# KiCad board main_board.kicad_pcb (continued)
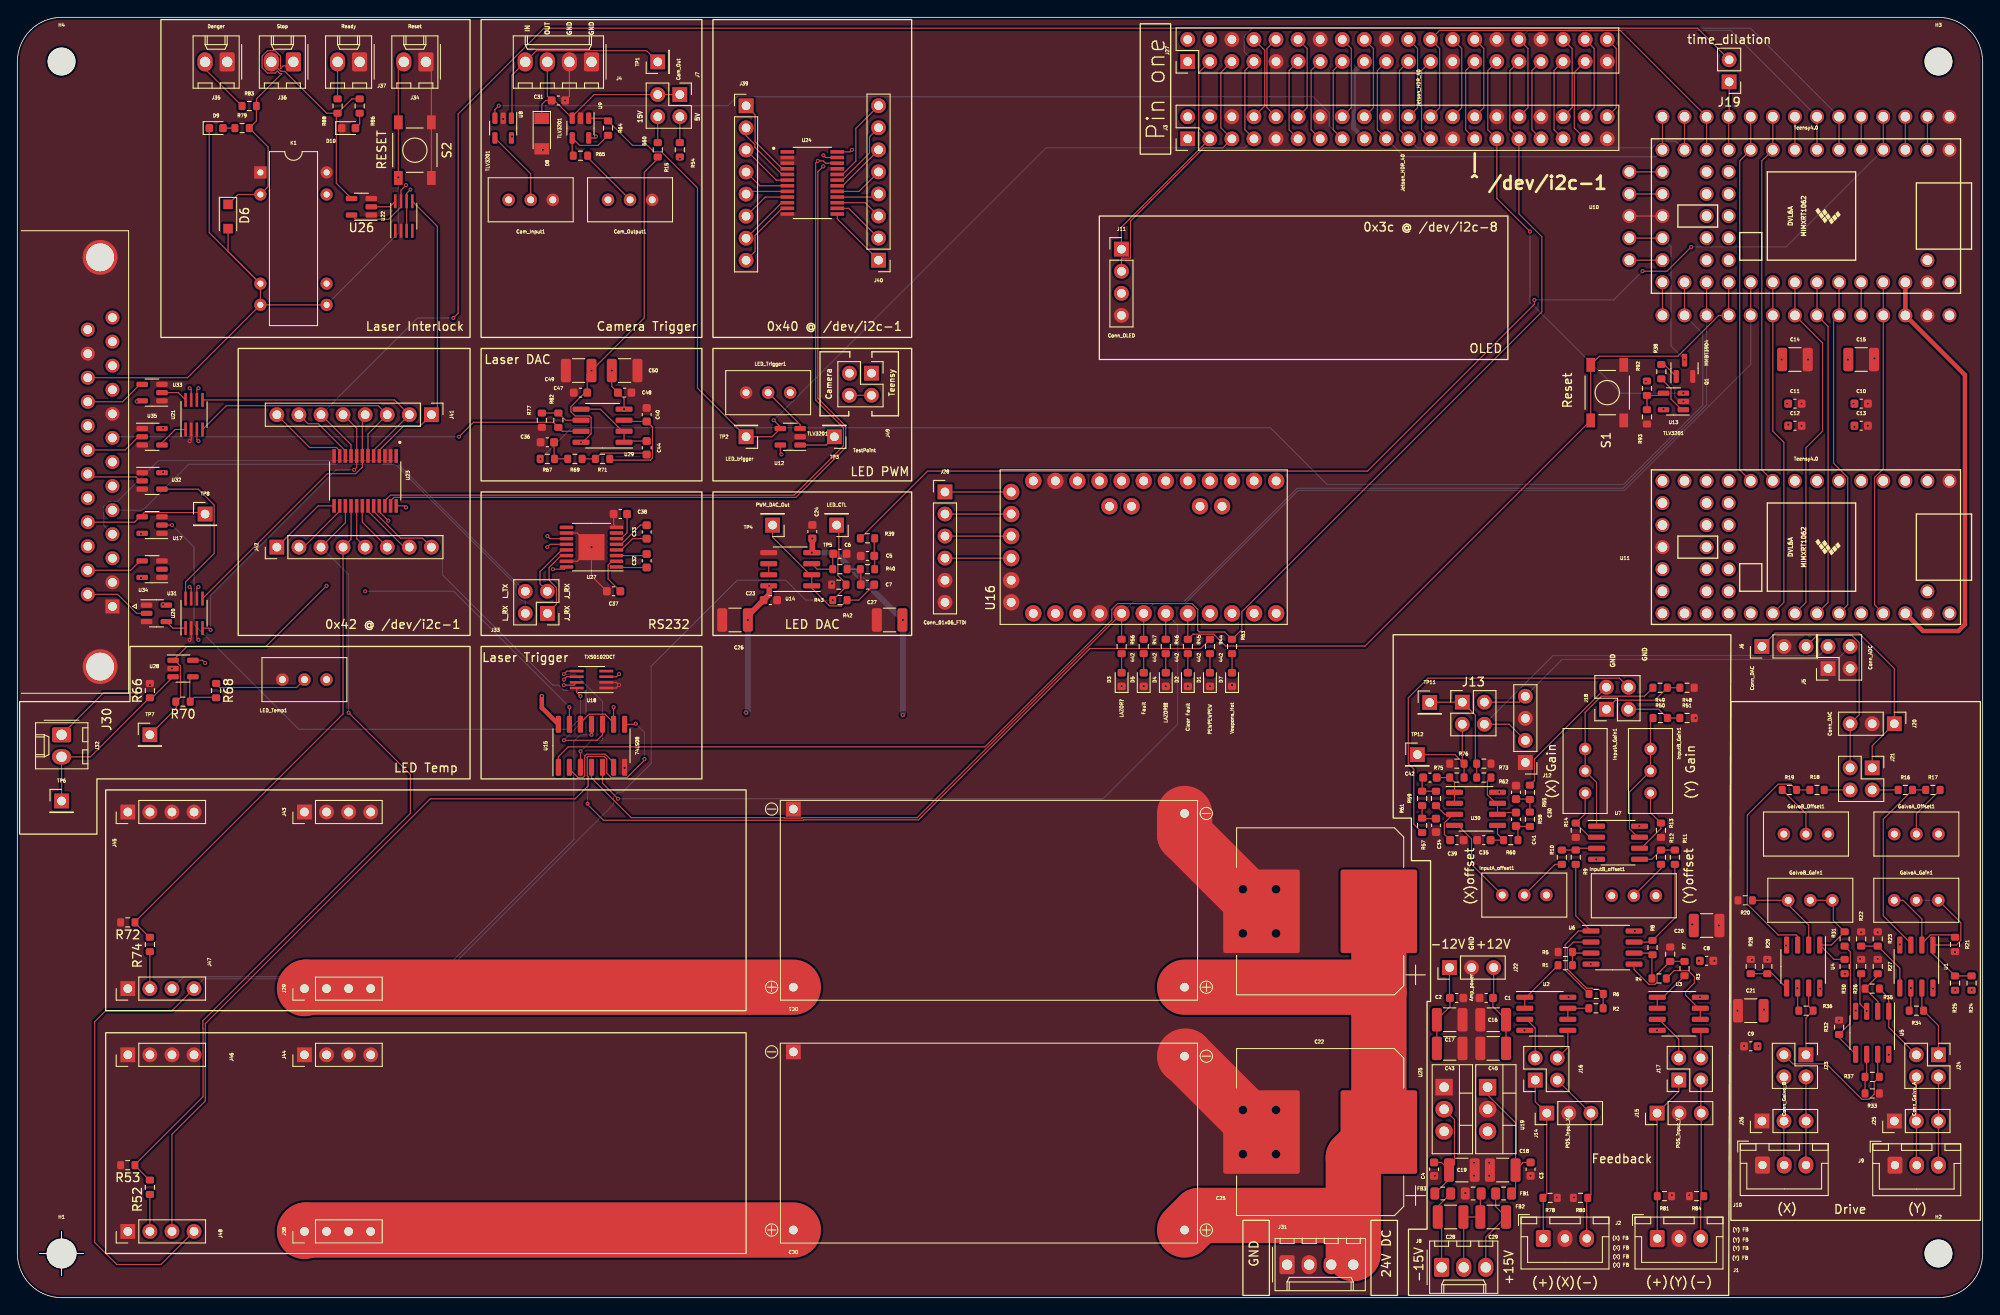
[diagram p0: board, top side]
## Footprints (pads in the part's own frame, mm; a bottom-side part is the same pattern mirrored in y, then rotated)
C_0603_1608Metric
  rrect 0.9x0.95 smd: 1(-0.775,0) 2(0.775,0)
C_1210_3225Metric
  rrect 1.15x2.7 smd: 1(-1.475,0) 2(1.475,0)
CP_Elec_18x22
  rrect 8.8x9.6 smd: 1(-6.75,0) 2(6.75,0)
D_0603_1608Metric
  rrect 0.875x0.95 smd: 1(-0.787,0) 2(0.787,0)
D_MiniMELF
  rect 1.3x1.7 smd: 1(-1.75,0) 2(1.75,0)
D_SOD-123F
  rect 1.1x1.1 smd: 1(-1.4,0) 2(1.4,0)
DSUB-25_Female_Horizontal_P2.77x2.84mm_EdgePinOffset7.70mm_Housed_MountingHolesOffset9.12mm
  round 4 hole 3.2: 0(-40.17,-1.42) 0(6.93,-1.42)
  rect 1.6x1.6 hole 1: 1(0,0)
  round 1.6 hole 1: 2(-2.77,0) 3(-5.54,0) 4(-8.31,0) 5(-11.08,0) 6(-13.85,0) 7(-16.62,0) 8(-19.39,0) 9(-22.16,0) 10(-24.93,0) 11(-27.7,0) 12(-30.47,0) 13(-33.24,0) 14(-1.385,-2.84) 15(-4.155,-2.84) 16(-6.925,-2.84) 17(-9.695,-2.84) 18(-12.465,-2.84) 19(-15.235,-2.84) 20(-18.005,-2.84) 21(-20.775,-2.84) 22(-23.545,-2.84) 23(-26.315,-2.84) 24(-29.085,-2.84) 25(-31.855,-2.84)
HTSSOP-16-1EP_4.4x5mm_P0.65mm_EP3x3mm
  rrect 1.21x1.21 smd: (-0.75,0.75) (-0.75,-0.75) (0.75,0.75) (0.75,-0.75)
  rrect 1.55x0.4 smd: 1(-2.875,2.275) 2(-2.875,1.625) 3(-2.875,0.975) 4(-2.875,0.325) 5(-2.875,-0.325) 6(-2.875,-0.975) 7(-2.875,-1.625) 8(-2.875,-2.275) 9(2.875,-2.275) 10(2.875,-1.625) 11(2.875,-0.975) 12(2.875,-0.325) 13(2.875,0.325) 14(2.875,0.975) 15(2.875,1.625) 16(2.875,2.275)
  rect 3x3 smd: 17(0,0)
JST_XH_B3B-XH-A_1x03_P2.50mm_Vertical
  rrect 1.7x1.95 hole 0.95: 1(0,0)
  oval 1.7x1.95 hole 0.95: 2(2.5,0) 3(5,0)
LM2596S Module
  round 1.7 hole 1: 1(-22.5,10) 4(22.5,10)
  rect 1.7x1.7 hole 1: 2(-22.5,-10) 3(22.5,-10.5)
MODULE_ARDUINO_PRO_MINI
  round 1.88 hole 1.016: JP1_1(6.35,15.24) JP1_2(3.81,15.24) JP1_3(1.27,15.24) JP1_4(-1.27,15.24) JP1_5(-3.81,15.24) JP1_6(-6.35,15.24) JP2_1(4.699,1.397) JP2_2(4.699,3.937) JP3_1(4.699,-9.017) JP3_2(4.699,-6.477) JP6_1(7.62,12.7) JP6_2(7.62,10.16) JP6_3(7.62,7.62) JP6_4(7.62,5.08) JP6_5(7.62,2.54) JP6_6(7.62,0) JP6_7(7.62,-2.54) JP6_8(7.62,-5.08) JP6_9(7.62,-7.62) JP6_10(7.62,-10.16) JP6_11(7.62,-12.7) JP6_12(7.62,-15.24) JP7_1(-7.62,-15.24) JP7_2(-7.62,-12.7) JP7_3(-7.62,-10.16) JP7_4(-7.62,-7.62) JP7_5(-7.62,-5.08) JP7_6(-7.62,-2.54) JP7_7(-7.62,0) JP7_8(-7.62,2.54) JP7_9(-7.62,5.08) JP7_10(-7.62,7.62) JP7_11(-7.62,10.16) JP7_12(-7.62,12.7)
Molex_KK-254_AE-6410-02A_1x02_P2.54mm_Vertical
  rrect 1.74x2.19 hole 1.19: 1(0,0)
  oval 1.74x2.19 hole 1.19: 2(2.54,0)
Molex_KK-254_AE-6410-03A_1x03_P2.54mm_Vertical
  rrect 1.74x2.19 hole 1.19: 1(0,0)
  oval 1.74x2.19 hole 1.19: 2(2.54,0) 3(5.08,0)
Molex_KK-254_AE-6410-04A_1x04_P2.54mm_Vertical
  rrect 1.74x2.19 hole 1.19: 1(0,0)
  oval 1.74x2.19 hole 1.19: 2(2.54,0) 3(5.08,0) 4(7.62,0)
MountingHole_3.2mm_M3
  round 3.2 hole 3.2 unplated: (0,0)
PinHeader_1x01_P2.54mm_Vertical
  rect 1.7x1.7 hole 1: 1(0,0)
PinHeader_1x02_P2.54mm_Vertical
  rect 1.7x1.7 hole 1: 1(0,0)
  oval 1.7x1.7 hole 1: 2(0,-2.54)
PinHeader_1x03_P2.54mm_Vertical
  rect 1.7x1.7 hole 1: 1(0,0)
  oval 1.7x1.7 hole 1: 2(0,-2.54) 3(0,-5.08)
PinHeader_1x04_P2.54mm_Vertical
  rect 1.7x1.7 hole 1: 1(0,0)
  oval 1.7x1.7 hole 1: 2(0,-2.54) 3(0,-5.08) 4(0,-7.62)
PinHeader_1x06_P2.54mm_Vertical
  rect 1.7x1.7 hole 1: 1(0,0)
  oval 1.7x1.7 hole 1: 2(0,-2.54) 3(0,-5.08) 4(0,-7.62) 5(0,-10.16) 6(0,-12.7)
PinHeader_1x08_P2.54mm_Vertical
  rect 1.7x1.7 hole 1: 1(0,0)
  oval 1.7x1.7 hole 1: 2(0,-2.54) 3(0,-5.08) 4(0,-7.62) 5(0,-10.16) 6(0,-12.7) 7(0,-15.24) 8(0,-17.78)
PinHeader_2x02_P2.54mm_Vertical
  rect 1.7x1.7 hole 1: 1(0,0)
  oval 1.7x1.7 hole 1: 2(2.54,0) 3(0,-2.54) 4(2.54,-2.54)
PinHeader_2x20_P2.54mm_Vertical
  rect 1.7x1.7 hole 1: 1(0,0)
  oval 1.7x1.7 hole 1: 2(2.54,0) 3(0,-2.54) 4(2.54,-2.54) 5(0,-5.08) 6(2.54,-5.08) 7(0,-7.62) 8(2.54,-7.62) 9(0,-10.16) 10(2.54,-10.16) 11(0,-12.7) 12(2.54,-12.7) 13(0,-15.24) 14(2.54,-15.24) 15(0,-17.78) 16(2.54,-17.78) 17(0,-20.32) 18(2.54,-20.32) 19(0,-22.86) 20(2.54,-22.86) 21(0,-25.4) 22(2.54,-25.4) 23(0,-27.94) 24(2.54,-27.94) 25(0,-30.48) 26(2.54,-30.48) 27(0,-33.02) 28(2.54,-33.02) 29(0,-35.56) 30(2.54,-35.56) 31(0,-38.1) 32(2.54,-38.1) 33(0,-40.64) 34(2.54,-40.64) 35(0,-43.18) 36(2.54,-43.18) 37(0,-45.72) 38(2.54,-45.72) 39(0,-48.26) 40(2.54,-48.26)
Potentiometer_Bourns_3296W_Vertical
  round 1.44 hole 0.8: 1(0,0) 2(-2.54,0) 3(-5.08,0)
R_0603_1608Metric
  rrect 0.8x0.95 smd: 1(-0.825,0) 2(0.825,0)
R_0805_2012Metric
  rrect 1.025x1.4 smd: 1(-0.912,0) 2(0.912,0)
Relay_StandexMeder_DIP_LowProfile
  rect 1.4x1.4 hole 0.7: 1(0,0)
  round 1.4 hole 0.7: 2(0,-2.54) 6(0,-12.8) 7(0,-15.24) 8(7.62,-15.24) 9(7.62,-12.8) 13(7.62,-2.54) 14(7.62,0)
SOIC-8_3.9x4.9mm_P1.27mm
  rrect 1.95x0.6 smd: 1(-2.475,1.905) 2(-2.475,0.635) 3(-2.475,-0.635) 4(-2.475,-1.905) 5(2.475,-1.905) 6(2.475,-0.635) 7(2.475,0.635) 8(2.475,1.905)
SOIC-14_3.9x8.7mm_P1.27mm
  rrect 1.95x0.6 smd: 1(-2.475,3.81) 2(-2.475,2.54) 3(-2.475,1.27) 4(-2.475,0) 5(-2.475,-1.27) 6(-2.475,-2.54) 7(-2.475,-3.81) 8(2.475,-3.81) 9(2.475,-2.54) 10(2.475,-1.27) 11(2.475,0) 12(2.475,1.27) 13(2.475,2.54) 14(2.475,3.81)
SOP65P640X120-24N
  rrect 1.57x0.41 smd: 1(-2.87,3.575) 2(-2.87,2.925) 3(-2.87,2.275) 4(-2.87,1.625) 5(-2.87,0.975) 6(-2.87,0.325) 7(-2.87,-0.325) 8(-2.87,-0.975) 9(-2.87,-1.625) 10(-2.87,-2.275) 11(-2.87,-2.925) 12(-2.87,-3.575) 13(2.87,-3.575) 14(2.87,-2.925) 15(2.87,-2.275) 16(2.87,-1.625) 17(2.87,-0.975) 18(2.87,-0.325) 19(2.87,0.325) 20(2.87,0.975) 21(2.87,1.625) 22(2.87,2.275) 23(2.87,2.925) 24(2.87,3.575)
SOT-23
  rrect 1.475x0.6 smd: 1(-0.938,0.95) 2(-0.938,-0.95) 3(0.938,0)
SOT-23-5
  rrect 1.325x0.6 smd: 1(-1.137,0.95) 2(-1.137,0) 3(-1.137,-0.95) 4(1.137,-0.95) 5(1.137,0.95)
SSOP-8_2.95x2.8mm_P0.65mm
  rect 1.6x0.3 smd: 1(-1.7,0.975) 2(-1.7,0.325) 3(-1.7,-0.325) 4(-1.7,-0.975) 5(1.7,-0.975) 6(1.7,-0.325) 7(1.7,0.325) 8(1.7,0.975)
SW_PTS525SM15SMTR2LFS
  rect 1.6x1 smd: 1(-3.2,1.9) 2(3.2,1.9) 3(-3.2,-1.9) 4(3.2,-1.9)
Teensy40
  round 1.6 hole 1.1: 1(-16.51,-7.62) 2(-13.97,-7.62) 3(-11.43,-7.62) 4(-8.89,-7.62) 5(-6.35,-7.62) 6(-3.81,-7.62) 7(-1.27,-7.62) 8(1.27,-7.62) 9(3.81,-7.62) 10(6.35,-7.62) 11(8.89,-7.62) 12(11.43,-7.62) 13(13.97,-7.62) 14(16.51,-7.62) 15(16.51,-5.08) 16(16.51,-2.54) 17(16.51,0) 18(16.51,2.54) 19(16.51,5.08) 20(16.51,7.62) 21(13.97,7.62) 22(11.43,7.62) 23(8.89,7.62) 24(6.35,7.62) 25(3.81,7.62) 26(1.27,7.62) 27(-1.27,7.62) 28(-3.81,7.62) 29(-6.35,7.62) 30(-8.89,7.62) 31(-11.43,7.62) 32(-13.97,7.62) 33(-16.51,7.62) 34(-13.97,5.08) 35(11.43,5.08) 36(8.89,5.08) 37(11.43,2.54) 38(8.89,2.54) 39(11.43,0) 40(8.89,0) 41(11.43,-2.54) 42(8.89,-2.54) 43(11.43,-5.08) 44(8.89,-5.08)
Teensy40#2
  round 1.6 hole 1.1: 1(-16.51,-7.62) 1(-16.51,-11.43) 2(-13.97,-7.62) 2(-13.97,-11.43) 3(-11.43,-7.62) 3(-11.43,-11.43) 4(-8.89,-7.62) 4(-8.89,-11.43) 5(-6.35,-7.62) 5(-6.35,-11.43) 6(-3.81,-7.62) 6(-3.81,-11.43) 7(-1.27,-7.62) 7(-1.27,-11.43) 8(1.27,-7.62) 8(1.27,-11.43) 9(3.81,-7.62) 9(3.81,-11.43) 10(6.35,-7.62) 10(6.35,-11.43) 11(8.89,-7.62) 11(8.89,-11.43) 12(11.43,-7.62) 12(11.43,-11.43) 13(13.97,-7.62) 13(13.97,-11.43) 14(16.51,-7.62) 14(16.51,-11.43) 15(16.51,-5.08) 15(20.32,-5.08) 16(16.51,-2.54) 16(20.32,-2.54) 17(16.51,0) 17(20.32,0) 18(16.51,2.54) 18(20.32,2.54) 19(16.51,5.08) 19(20.32,5.08) 20(16.51,11.43) 20(16.51,7.62) 21(13.97,11.43) 21(13.97,7.62) 22(11.43,11.43) 22(11.43,7.62) 23(8.89,11.43) 23(8.89,7.62) 24(6.35,11.43) 24(6.35,7.62) 25(3.81,11.43) 25(3.81,7.62) 26(1.27,11.43) 26(1.27,7.62) 27(-1.27,11.43) 27(-1.27,7.62) 28(-3.81,11.43) 28(-3.81,7.62) 29(-6.35,11.43) 29(-6.35,7.62) 30(-8.89,11.43) 30(-8.89,7.62) 31(-11.43,11.43) 31(-11.43,7.62) 32(-13.97,11.43) 32(-13.97,7.62) 33(-16.51,11.43) 33(-16.51,7.62) 34(-13.97,5.08) 35(11.43,5.08) 36(8.89,5.08) 37(11.43,2.54) 38(8.89,2.54) 39(11.43,0) 40(8.89,0) 41(11.43,-2.54) 42(8.89,-2.54) 43(11.43,-5.08) 44(8.89,-5.08)
TO-220-3_Vertical
  rect 1.905x2 hole 1.1: 1(0,0)
  oval 1.905x2 hole 1.1: 2(2.54,0) 3(5.08,0)

## Nets
+3V3: C11.1 C12.1 C14.1 Cam_Output1.1 J3.1 J3.17 J11.3 J27.1 J27.17 J28.4 J32.1 LED_Temp1.1 U9.5 U15.14 U16.JP1_4 U16.JP6_4 U18.3 U18.6 U20.3 U20.6 U21.3 U21.6 U22.3 U22.6 U23.21 U23.24 U24.24 U27.16 U28.5
+5V: C10.1 C13.1 C15.1 Cam_Input1.1 J3.2 J3.4 J27.2 J27.4 LED_Trigger1.1 R54.1 R92.2 U8.5 U10.33 U12.5 U13.5 U17.5 U18.7 U20.7 U21.7 U22.7 U26.5 U31.5 U32.5 U33.5 U34.5 U35.5
+15V: C1.1 C8.1 C16.1 C20.1 C23.1 C26.1 C45.1 C47.1 C49.1 GalvoA_Offset1.1 GalvoB_Offset1.1 InputA_offset1.1 InputB_offset1.1 J22.3 R15.1 U1.8 U2.8 U3.8 U4.8 U5.8 U6.8 U7.8 U14.8 U19.3 U29.8 U30.8
+24V: C22.1 C25.1 DC1.1 DC2.1 J31.3 J31.4
-15V: C2.2 C9.2 C17.2 C21.2 C24.2 C27.2 C43.2 C48.2 C50.2 GalvoA_Offset1.3 GalvoB_Offset1.3 InputA_offset1.3 InputB_offset1.3 J22.1 U1.4 U2.4 U3.4 U4.4 U5.4 U6.4 U7.4 U14.4 U25.3 U29.4 U30.4
GND: C1.2 C2.1 C3.2 C4.1 C5.1 C6.2 C8.2 C9.1 C10.2 C11.2 C12.2 C13.2 C14.2 C15.2 C16.2 C17.1 C18.2 C19.1 C20.2 C21.1 C22.2 C23.2 C24.1 C25.2 C26.2 C27.1 C30.1 C31.2 C34.1 C35.2 C36.1 C37.2 C38.2 C39.2 C40.2 C43.1 C45.2 C47.2 C48.1 C49.2 C50.1 Cam_Input1.3 Cam_Output1.3 D1.1 D2.1 D3.1 D4.1 D5.1 D7.1 D8.2 D10.1 DC1.2 DC1.3 DC2.2 DC2.3 FB2.2 J1.2 J2.2 J3.6 J3.9 J3.14 J3.20 J3.25 J3.30 J3.34 J3.39 J4.1 J4.2 J5.1 J5.3 J6.2 J9.1 J10.1 J11.4 J12.1 J12.3 J14.2 J15.2 J20.2 J22.2 J25.1 J26.1 J27.6 J27.9 J27.14 J27.20 J27.25 J27.30 J27.34 J27.39 J28.5 J28.6 J30.0 J30.1 J30.2 J30.9 J30.24 J31.1 J31.2 J34.1 J35.1 J37.1 J43.1 J43.2 J43.3 J43.4 J44.1 J44.2 J44.3 J44.4 J45.1 J45.2 J45.3 J45.4 J46.1 J46.2 J46.3 J46.4 J47.1 J48.1 K1.1 K1.14 LED_Temp1.3 LED_Trigger1.3 Q1.2 R5.2 R7.2 R13.2 R14.2 R20.2 R21.2 R22.1 R23.1 R26.1 R27.1 R28.1 R29.1 R32.1 R33.1 R43.2 R48.1 R51.2 R53.2 R66.2 R72.2 R73.2 R76.2 R77.1 R78.1 R80.2 R81.1 R84.2 R93.1 S1.1 S1.2 S2.1 S2.2 U8.2 U9.2 U10.1 U10.17 U10.32 U11.1 U11.17 U11.32 U12.2 U13.2 U14.5 U15.7 U16.JP1_5 U16.JP1_6 U16.JP6_2 U16.JP7_9 U17.1 U17.3 U18.1 U18.2 U19.2 U20.2 U21.2 U22.2 U23.2 U23.3 U23.12 U24.2 U24.3 U24.12 U24.21 U25.1 U26.1 U26.3 U27.8 U27.10 U27.15 U27.17 U28.2 U31.1 U31.3 U32.1 U32.3 U33.1 U33.3 U34.1 U34.3 U35.1 U35.3
/ADC (X): J5.4 J12.4 J13.2
/ADC (Y): J5.2 J12.2 J13.4
/Cam_In: J4.4 TP1.1 U8.1
/Cam_Out: C31.1 D8.1 J4.3 J7.1 J7.3 U9.3
/CAM_TRIGGER: J3.15 J27.15 U8.3 U10.5
/Clear_Fault: R45.2 S1.3 S1.4 U10.23 U16.JP7_5
/CS: J3.24 J27.24 U10.12
/DAC (X): J6.3 J20.3 J21.3
/DAC (Y): J6.1 J20.1 J21.1
/Fault: R47.2 U10.24 U16.JP7_7
/Laz0r?: R56.2 U10.22 U15.4 U16.JP7_8
/LAZOR!!!: R46.2 U15.5 U16.JP7_6
/MISC0: J3.33 J27.33 U10.8
/MISC1: J3.32 J27.32 U10.7
/MISO: J3.21 J27.21 U10.13
/MOSI: J3.19 J27.19 U10.14
/OLED_SCL: J3.5 J11.2 J27.5
/OLED_SDA: J3.3 J11.1 J27.3
/Pos_A(+): J2.1 J14.1 J16.1 R78.2
/Pos_A(-): J2.3 J14.3 J16.3 R80.1
/Pos_B(+): J1.1 J15.1 J17.1 R81.2
/Pos_B(-): J1.3 J15.3 J17.3 R84.1
/Prog_Reset: J3.29 J27.29 U13.3
/SCK: J3.23 J27.23 U10.20
/Veapons_Hot: J3.31 J27.31 R63.2 U15.1
Current_Alarm_TTL: U20.8 U32.4
I/O_SCL: J3.28 J27.28 U23.22 U24.22
I/O_SDA: J3.27 J27.27 U23.23 U24.23
Jetson_RX: J3.10 J27.10 U27.12
Jetson_TX: J3.8 J27.8 U27.11
Laser_Interlock: U22.8 U26.2
Laser_PWM_DAC: R67.1 U10.21
Laser_PWM_DAC_0-5v: J30.8 R82.2 U29.7
Laser_RX: J30.5 J33.2
Laser_Trigger: J30.17 TP8.1 U17.4
Laser_TX: J30.4 J33.4
LED_A_On: J42.2 U15.13 U23.14
LED_B_On: J42.1 U15.10 U23.13
LED_CTL: J47.4 J48.4 R42.2 R43.1 TP5.1
LED_Open_Fault_A: J42.4 R72.1 R74.2 U23.16
LED_Open_Fault_B: J42.3 R52.2 R53.1 U23.15
LED_PWM: J49.2 J49.4 U15.9 U15.12
LED_PWM_DAC: R39.1 U10.4
LED_Temp_Fault: J42.5 R70.2 TP7.1 U23.17 U28.1
LED_trigger: J3.7 J27.7 R64.1 TP2.1 U9.1 U10.6 U12.4
LED_trigger_teensy: J49.1 U10.3
Red_Laser_Trigger: U10.29
Red_Laser_Trigger_TTL: U34.2
SGT_3.3: U10.31 U11.31
SGT_BCLK: U10.28 U11.28
SGT_LRCLK: U10.27 U11.27
SGT_MCLK: U10.30 U11.30
SGT_RX: U10.10 U11.10
SGT_SCL: U10.26 U11.26
SGT_SDA: U10.25 U11.25
SGT_TX: U10.9 U11.9
Simmer_Control_TTL: U21.8 U33.2
System_Alarm_TTL: U20.1 U31.4
Temp_Alarm_TTL: U21.1 U35.4
time_dilation: J19.1 U10.11
Net-(C5-Pad2): C5.2 R39.2 R40.1
Net-(C6-Pad1): C6.1 R41.2 U14.3
Net-(C7-Pad1): C7.1 R42.1 TP4.1 U14.1 U14.2
Net-(C7-Pad2): C7.2 R40.2 R41.1
Net-(C18-Pad1): C3.1 C18.1 FB1.1 U19.1
Net-(C19-Pad2): C4.2 C19.2 FB3.1 U25.2
Net-(C28-Pad1): C28.1 C29.2 FB2.1 J8.2
Net-(C28-Pad2): C28.2 FB3.2 J8.1
Net-(C29-Pad1): C29.1 FB1.2 J8.3
Net-(C30-Pad2): C30.2 R55.2 R58.1
Net-(C32-Pad1): C32.1 U27.1
Net-(C32-Pad2): C32.2 U27.3
Net-(C33-Pad1): C33.1 U27.4
Net-(C33-Pad2): C33.2 U27.5
Net-(C34-Pad2): C34.2 R57.2 R59.1
Net-(C35-Pad1): C35.1 R60.2 U30.5
Net-(C36-Pad2): C36.2 R67.2 R69.1
Net-(C37-Pad1): C37.1 U27.2
Net-(C38-Pad1): C38.1 U27.6
Net-(C39-Pad1): C39.1 R61.2 U30.3
Net-(C40-Pad1): C40.1 R71.2 U29.3
Net-(C41-Pad1): C41.1 R62.1 U30.6 U30.7
Net-(C41-Pad2): C41.2 R58.2 R60.1
Net-(C42-Pad1): C42.1 R75.1 U30.1 U30.2
Net-(C42-Pad2): C42.2 R59.2 R61.1
Net-(C44-Pad1): C44.1 U29.1 U29.2 U29.5
Net-(C44-Pad2): C44.2 R69.2 R71.1
Net-(Cam_Input1-Pad2): Cam_Input1.2 U8.4
Net-(Cam_Output1-Pad2): Cam_Output1.2 R65.2
Net-(D1-Pad2): D1.2 R44.1
Net-(D2-Pad2): D2.2 R45.1
Net-(D3-Pad2): D3.2 R56.1
Net-(D4-Pad2): D4.2 R46.1
Net-(D5-Pad2): D5.2 R47.1
Net-(D6-Pad1): D6.1 J36.1 K1.2 R79.2 R83.2
Net-(D6-Pad2): D6.2 D9.1 J30.23 J34.2 K1.6 K1.7 K1.8 S2.3 S2.4
Net-(D7-Pad2): D7.2 R63.1
Net-(D9-Pad2): D9.2 R79.1
Net-(D10-Pad2): D10.2 R86.1
Net-(DC1-Pad4): DC1.4 J29.1 J29.2 J29.3 J29.4
Net-(DC2-Pad4): DC2.4 J38.1 J38.2 J38.3 J38.4
Net-(GalvoA_Gain1-Pad1): GalvoA_Gain1.1 R21.1 U1.2
Net-(GalvoA_Gain1-Pad2): GalvoA_Gain1.2 GalvoA_Gain1.3 R24.1 R25.1 U1.1
Net-(GalvoA_Offset1-Pad2): GalvoA_Offset1.2 R17.2
Net-(GalvoB_Gain1-Pad1): GalvoB_Gain1.1 R20.1 U4.2
Net-(GalvoB_Gain1-Pad2): GalvoB_Gain1.2 GalvoB_Gain1.3 R30.1 R31.1 U4.1
Net-(GalvoB_Offset1-Pad2): GalvoB_Offset1.2 R19.1
Net-(InputA_Gain1-Pad1): InputA_Gain1.1 R14.1 U7.2
Net-(InputA_Gain1-Pad2): InputA_Gain1.2 InputA_Gain1.3 R49.2 U7.1
Net-(InputA_offset1-Pad2): InputA_offset1.2 R10.2
Net-(InputB_Gain1-Pad1): InputB_Gain1.1 R13.1 U7.6
Net-(InputB_Gain1-Pad2): InputB_Gain1.2 InputB_Gain1.3 R50.1 U7.7
Net-(InputB_offset1-Pad2): InputB_offset1.2 R12.1
Net-(J7-Pad2): J7.2 R54.2
Net-(J7-Pad4): J7.4 R15.2
Net-(J10-Pad2): J10.2 J23.4 J26.2
Net-(J10-Pad3): J10.3 J23.2 J26.3
Net-(J13-Pad1): J13.1 R62.2 R73.1 TP11.1
Net-(J13-Pad3): J13.3 R75.2 R76.1 TP12.1
Net-(J16-Pad2): J16.2 U2.3
Net-(J16-Pad4): J16.4 U2.5
Net-(J17-Pad2): J17.2 U3.3
Net-(J17-Pad4): J17.4 U3.5
Net-(J18-Pad1): J18.1 R48.2 R49.1
Net-(J18-Pad2): J18.2 R55.1
Net-(J18-Pad3): J18.3 R50.2 R51.1
Net-(J18-Pad4): J18.4 R57.1
Net-(J19-Pad2): J19.2 J41.6 U23.9
Net-(J21-Pad2): J21.2 R16.1
Net-(J21-Pad4): J21.4 R18.1
Net-(J23-Pad1): J23.1 R36.2 U4.7
Net-(J23-Pad3): J23.3 R37.2 U5.7
Net-(J24-Pad1): J24.1 R34.2 U1.7
Net-(J24-Pad2): J9.3 J24.2 J25.3
Net-(J24-Pad3): J24.3 R35.2 U5.1
Net-(J24-Pad4): J9.2 J24.4 J25.2
Net-(J28-Pad1): J28.1 U16.JP1_1
Net-(J28-Pad2): J28.2 U16.JP1_2
Net-(J28-Pad3): J28.3 U16.JP1_3
Net-(J30-Pad14): J30.14 U31.2
Net-(J30-Pad15): J30.15 U34.4
Net-(J30-Pad19): J30.19 U32.2
Net-(J30-Pad20): J30.20 U35.2
Net-(J30-Pad22): J30.22 U33.4
Net-(J32-Pad2): J32.2 R66.1 TP6.1 U28.3
Net-(J33-Pad1): J33.1 U27.14
Net-(J33-Pad3): J33.3 U27.13
Net-(J35-Pad2): J35.2 R83.1
Net-(J36-Pad2): J36.2 R86.2 R88.2 U26.4
Net-(J37-Pad2): J37.2 R88.1
Net-(J39-Pad1): J39.1 U24.4
Net-(J39-Pad2): J39.2 U24.5
Net-(J39-Pad3): J39.3 U24.6
Net-(J39-Pad4): J39.4 U24.7
Net-(J39-Pad5): J39.5 U24.8
Net-(J39-Pad6): J39.6 U24.9
Net-(J39-Pad7): J39.7 U24.10
Net-(J39-Pad8): J39.8 U24.11
Net-(J40-Pad1): J40.1 U24.13
Net-(J40-Pad2): J40.2 U24.14
Net-(J40-Pad3): J40.3 U24.15
Net-(J40-Pad4): J40.4 U24.16
Net-(J40-Pad5): J40.5 U24.17
Net-(J40-Pad6): J40.6 U24.18
Net-(J40-Pad7): J40.7 U24.19
Net-(J40-Pad8): J40.8 U24.20
Net-(J41-Pad1): J41.1 U22.5 U23.4
Net-(J41-Pad2): J41.2 U21.5 U23.5
Net-(J41-Pad3): J41.3 U21.4 U23.6
Net-(J41-Pad4): J41.4 U20.5 U23.7
Net-(J41-Pad5): J41.5 U20.4 U23.8
Net-(J41-Pad7): J41.7 U23.10
Net-(J41-Pad8): J41.8 U23.11
Net-(J42-Pad6): J42.6 U23.18
Net-(J42-Pad7): J42.7 U23.19
Net-(J42-Pad8): J42.8 U23.20
Net-(J47-Pad2): J47.2 R74.1
Net-(J47-Pad3): J47.3 U15.11
Net-(J48-Pad2): J48.2 R52.1
Net-(J48-Pad3): J48.3 U15.8
Net-(LED_Temp1-Pad2): LED_Temp1.2 R68.1
Net-(LED_Trigger1-Pad2): LED_Trigger1.2 U12.3
Net-(Q1-Pad1): Q1.1 R38.2
Net-(Q1-Pad3): Q1.3 U10.18
Net-(R1-Pad1): R1.1 U2.1 U2.2
Net-(R1-Pad2): R1.2 R5.1 U6.3
Net-(R2-Pad1): R2.1 U2.6 U2.7
Net-(R2-Pad2): R2.2 R6.1 U6.2
Net-(R3-Pad1): R3.1 U3.1 U3.2
Net-(R3-Pad2): R3.2 R7.1 U6.5
Net-(R4-Pad1): R4.1 U3.6 U3.7
Net-(R4-Pad2): R4.2 R8.1 U6.6
Net-(R6-Pad2): R6.2 R9.1 U6.1
Net-(R10-Pad1): R9.2 R10.1 U7.3
Net-(R11-Pad1): R8.2 R11.1 U6.7
Net-(R11-Pad2): R11.2 R12.2 U7.5
Net-(R16-Pad2): R16.2 R17.1 U1.3
Net-(R18-Pad2): R18.2 R19.2 U4.3
Net-(R22-Pad2): R22.2 R23.2 U1.5
Net-(R24-Pad2): R24.2 R34.1 U1.6
Net-(R25-Pad2): R25.2 R26.2 U5.3
Net-(R27-Pad2): R27.2 R35.1 U5.2
Net-(R28-Pad2): R28.2 R29.2 U4.5
Net-(R30-Pad2): R30.2 R36.1 U4.6
Net-(R31-Pad2): R31.2 R32.2 U5.5
Net-(R33-Pad2): R33.2 R37.1 U5.6
Net-(R38-Pad1): R38.1 U13.1
Net-(R44-Pad2): R44.2 U15.3 U18.5
Net-(R64-Pad2): R64.2 R65.1 U9.4
Net-(R68-Pad2): R68.2 R70.1 U28.4
Net-(R77-Pad2): R77.2 R82.1 U29.6
Net-(R92-Pad1): R92.1 R93.2 U13.4
Net-(TP3-Pad1): J49.3 TP3.1 U12.1
Net-(U14-Pad6): U14.6 U14.7
Net-(U15-Pad2): U15.2 U15.6
Net-(U17-Pad2): U17.2 U18.8

Pads without a net: J3 11 12 13 16 18 22 26 35 36 37 38 40; J27 11 12 13 16 18 22 26 35 36 37 38 40; J30 3 6 7 10 11 12 13 16 18 21 25; K1 9 13; U10 2 15 16 19 34 35 36 37 38 39 40 41 42 43 44; U11 2 3 4 5 6 7 8 11 12 13 14 15 16 18 19 20 21 22 23 24 29 33 34 35 36 37 38 39 40 41 42 43 44; U16 JP2_1 JP2_2 JP3_1 JP3_2 JP6_1 JP6_3 JP6_5 JP6_6 JP6_7 JP6_8 JP6_9 JP6_10 JP6_11 JP6_12 JP7_1 JP7_2 JP7_3 JP7_4 JP7_10 JP7_11 JP7_12; U18 4; U22 1 4; U23 1; U24 1; U27 7 9

## Via types
v1: diameter 0.457, hole 0.254, Top to Bottom, 155 vias
v2: diameter 3, hole 1, Top to Bottom, 8 vias

## Routing (per net, layer and track width the routed paths; a pad name or vN(x,y) marks a point on that pad's centre or on a via; arc(x,y) is an arc through that point)
+3V3: length 55.3
  Top w0.127: v1(20.83,81.79) 20.64,81.61 20.64,80.44 ; v1(96.01,132.08) 95.78,131.84 U24.24 ; 44.78,122.76 44.78,127.07 v1(45.21,127.51) ; U16.JP1_4 J28.4 ; U23.21 41.63,90.45 v1(42.67,89.41) ; v1(20.83,75.69) 20.64,75.88 20.64,77.04 ; v1(44.7,90.93) 44.53,91.11 U23.24 ; U28.5 21.28,73.34 v1(21.59,73.03) ; v1(66.55,133.6) 66.39,133.44 U9.5 ; U27.16 62.9,83.82 v1(61.59,83.82) ; v1(13.72,69.6) 9.91,69.6 J32.1 ; v1(62.87,71.12) 63.19,71.44 U18.6 ; U18.3 68.91,71.44 v1(69.22,71.75) ; v1(20.83,104.65) 20.64,104.47 20.64,103.3 ; v1(20.83,98.55) 20.64,98.73 20.64,99.9
  Top w0.508: U15.14 60.32,67.88 v1(60.32,69.22)
  Bottom w0.508: J3.17 153.71,134.58 153.71,141.01 J27.17
  vias: v1(202.95,107.95) v1(203.58,102.87) v1(203.71,100.46)
+5V: length 14.8
  Top w0.127: U12.5 87.76,97.15 v1(87.88,97.03) ; U26.5 38.93,124.09 42.7,124.09 44.12,125.51 U22.7 44.12,127.44 v1(44.7,128.02) ; U21.7 20,104.47 v1(19.81,104.65) ; U18.7 64.03,70.49 v1(62.87,70.49) ; v1(19.81,81.79) 20,81.61 U20.7
  vias: v1(13.72,103.12) v1(14.22,87.88) v1(14.22,82.8) v1(16.76,100.08) v1(16.76,95) v1(16.76,79.76) v1(56.9,133.6) v1(76.2,131.06) v1(187.32,105.41) v1(189.36,102.23) v1(210.57,107.95) v1(211.2,102.87) v1(211.33,100.2)
+15V: length 102.4
  Top w0.127: C45.1 C16.1 169.74,33.48 169.74,34.48 169.81,34.56 J22.3 ; 73.66,131.06 72.1,129.51 72.1,112.74 v1(66.04,106.68) 65.55,106.19 C47.1 65.28,104.14 63.67,102.53 63.67,101.94 64.16,101.46 65.8,101.46 66,101.26 66,99.4 65.02,98.42 v1(64.84,98.42) ; v1(84.03,77.98) 84.03,78.45
  Top w0.635: v1(86.49,81.91) 86.49,80.91 C23.1 ; 84.03,78.45 85.84,80.26
  In2.Cu w0.635: v1(86.49,81.91) 81.35,81.91 v1(64.84,98.42) 64.84,105.47 v1(66.04,106.68)
  Bottom w0.635: v1(84.03,77.98) 84.03,67.52 v1(83.82,67.31)
  vias: v1(170.46,58.18) v1(178.44,34.56) v1(186.06,42.19) v1(186.56,54.25) v1(192.66,42.95) v1(193.42,38.76) v1(193.55,34.56) v1(207.39,35.56) v1(215.26,27.94) v1(220.35,35.56)
+24V: length 83.5
  Top w6.35: DC2.1 135.94,9.46 153.1,9.46 153.67,8.89 ; DC1.1 156.05,35.72 156.61,35.16 ; 153.67,8.89 153.67,16.11 C25.1 156.61,35.16 ; 153.67,8.89 153.67,5.06 ; 156.61,35.16 C22.1
-15V: length 84.6
  Top w0.127: InputA_offset1.3 167.27,49.85 167.27,52.8 165.73,54.34 U30.4 ; J22.1 164.74,34.53 C2.2 164.79,33.48 C17.2 C43.2 ; v1(69.78,102.23) 69.78,103.43 C48.2 68.38,104.84 v1(68.38,106.68) ; v1(91.38,85.72) 91.44,85.79
  Top w0.635: 91.44,85.79 v1(91.44,87.36)
  In2.Cu w0.635: v1(68.38,106.68) 69.78,105.27 v1(69.78,102.23) 70.94,102.23 85.82,87.36 v1(91.44,87.36)
  Bottom w0.635: v1(91.38,85.72) 94.11,85.72 v1(101.85,77.98) v1(101.85,67.06)
  vias: v1(173.36,30.75) v1(180.98,38.38) v1(181.61,50.44) v1(188.6,30.75) v1(200.28,28.96) v1(200.91,33.15) v1(203.45,40.51) v1(211.45,33.02) v1(216.54,40.64)
GND: length 70.1
  Top w0.127: J34.1 47.62,141.57 S2.1 S2.2 ; U18.1 68.88,70.15 v1(69.22,70.49) 68.91,70.79 U18.2 ; C38.2 68.58,88.97 U27.8 ; v1(19.81,75.69) 20,75.88 U20.2 ; C37.2 66.04,83.05 v1(66.04,86.36) ; U27.10 64.41,87.98 v1(66.04,86.36) ; v1(19.81,98.55) 20,98.73 U21.2 ; v1(66.04,86.36) 64.41,84.73 U27.15 ; U10.17 U10.17 ; J4.2 63.5,138.25 v1(63,137.75)
  Top w6.35: DC2.2 134.38,27.78 C25.2 ; DC1.2 134.26,53.3 C22.2
  vias: v1(15.24,70.49) v1(17.78,72.39) v1(55.88,135.64) v1(60.45,132.08) v1(69.85,60.96) v1(93.73,82.17) v1(127.02,70.36) v1(129.56,70.36) v1(132.1,70.36) v1(134.64,70.36) v1(137.18,70.36) v1(139.72,70.49) v1(163.06,14.03) v1(166.56,12.03) v1(167.56,15.53) v1(167.56,14.03) v1(169.31,15.53) v1(169.31,14.03) v1(174.06,14.03) v1(177.06,11.53) v1(179.06,11.53) v1(190.31,11.78) v1(191.64,103.12) v1(192.31,11.78) v1(193.04,66.7) v1(195.2,38.76) v1(195.71,42.82) v1(197.87,33.02) v1(198.63,28.96) v1(199.52,38.86) v1(201.3,38.86) v1(205.23,102.87) v1(205.23,100.33) v1(205.99,107.95) v1(209.55,31.88) v1(211.96,38.99) v1(212.09,42.04) v1(212.85,102.87) v1(212.85,100.33) v1(213.61,108.08) v1(214,42.04) v1(214,38.99) v1(222.88,39.75) v2(140.97,46.99) v2(140.97,41.91) v2(140.97,21.59) v2(140.97,16.51) v2(144.78,46.99) v2(144.78,41.91) v2(144.78,21.59) v2(144.78,16.51)
/ADC (X): length 44.7
  Top w0.127: J13.2 172.78,68.52 J12.4
  Bottom w0.127: J5.4 209.32,73.43 177.69,73.43 J12.4
/ADC (Y): length 48.7
  Top w0.127: J13.4 171.6,65.98 J12.2
  Bottom w0.127: J5.2 207.24,73.89 176.66,73.89 J13.4
/Cam_In: length 23.4
  Top w0.127: TP1.1 72.37,143.49 59.71,143.49 J4.4 56.9,140.68 56.9,135.78 U8.1
/Cam_Out: length 23.9
  Top w0.127: J4.3 60.96,138.25 61.46,137.75 61.78,137.75 U9.3 63.82,135.91 66.34,138.44 J7.3 J7.1 ; D8.1 60.32,137.31 60.77,137.75 60.96,137.75
/CAM_TRIGGER: length 177.8
  Top w0.127: U10.5 U10.5 ; J27.15 151.36,141.2 151.36,134.39 J3.15 ; v1(55.37,137.16) 54.93,136.72 U8.3
  In1.Cu w0.127: U10.5 206.78,141.2 153.44,141.2 J27.15
  Bottom w0.127: J3.15 150.9,134.84 150.9,136.32 149.02,138.2 82.79,138.2 81.75,137.16 v1(55.37,137.16)
/Clear_Fault: length 89.3
  Top w0.127: U16.JP7_5 R45.2 135.23,76.35 137.62,76.35 138.98,74.98 155.02,74.98 S1.4 S1.3 181.97,108.33 191.01,108.33 195.71,113.03 U10.23 U10.23
/CS: length 49.9
  Top w0.127: U10.12 U10.12 184.38,145.82 163.6,145.82 J27.24 163.6,143.74 163.6,136.93 J3.24
/DAC (X): length 21.8
  Top w0.127: J21.3 J20.3 211.86,67.08 211.86,75.36 211,76.22 207.03,76.22 205.74,74.93
/DAC (Y): length 30.1
  Top w0.127: 200.66,74.93 202.21,76.48 211.81,76.48 215.9,72.39 J20.1 213.36,63.5 J21.1
/Fault: length 94.1
  Top w0.127: R47.2 U16.JP7_7 ; U10.24 U10.24
  Bottom w0.127: U10.24 199.39,107.41 184.86,92.88 147.32,92.88 134.31,79.87 130.69,79.87 U16.JP7_7
/Laz0r?: length 168.2
  Top w0.127: U15.4 66.04,59.8 70.61,55.23 88.17,55.23 88.22,55.18 90.25,55.18 90.3,55.23 103.51,55.23 U16.JP7_8 R56.2 ; U10.22 U10.22
  Bottom w0.127: U16.JP7_8 128.4,80.12 134.2,80.12 147.21,93.13 184.71,93.13 194.31,102.73 U10.22
/LAZOR!!!: length 88.6
  Top w0.127: v1(69.09,57.4) 67.31,59.18 U15.5 ; R46.2 U16.JP7_6
  Bottom w0.127: U16.JP7_6 133.46,77.38 133.46,65.98 124.88,57.4 v1(69.09,57.4)
/MISC0: length 47.9
  Top w0.127: J3.33 174.22,134.39 174.22,141.2 J27.33 ; U10.8 U10.8
  In1.Cu w0.127: J3.33 174.22,134.39 174.22,136.32 174.83,136.93 203.43,136.93 U10.8
/MISC1: length 52.5
  Top w0.127: J3.32 173.76,136.93 173.76,143.74 J27.32 ; U10.7 U10.7
  Bottom w0.127: U10.7 197.08,145.82 182.45,145.82 182.37,145.75 180.85,145.75 180.77,145.82 179.91,145.82 179.83,145.75 178.31,145.75 178.23,145.82 173.76,145.82 J27.32
/MISO: length 46.5
  Top w0.127: U10.13 U10.13 ; J27.21 158.98,141.2 158.98,134.39 J3.21
  Bottom w0.127: J3.21 161.06,132.3 188.05,132.3 188.82,133.07 190.78,133.07 U10.13
/MOSI: length 46.5
  Top w0.127: U10.14 U10.14 ; J3.19 156.44,134.39 156.44,141.2 J27.19
  Bottom w0.127: J3.19 159.54,131.28 188.43,131.28 U10.14
/OLED_SCL: length 32.3
  Top w0.127: 127,118.12 127,119.61 128.04,119.61 128.04,123.87 136.48,132.3 138.66,132.3 J3.5 138.43,134.62 138.43,140.97 J27.5
/OLED_SDA: length 26.8
  Top w0.127: J27.3 135.89,140.97 135.89,134.62 J3.3 127,123.19 127,120.66
/Pos_A(+): length 19
  Top w0.127: J2.1 175.52,11.44 R78.2 175.93,11.92 J14.1 174.6,22.55 J16.1
/Pos_A(-): length 20.1
  Top w0.127: J2.3 180.52,11.37 R80.1 181,11.85 J14.3 180.95,21.23 J16.3
/Pos_B(+): length 19.3
  Top w0.127: J1.1 R81.2 188.61,11.71 J15.1 191.11,23.73 J17.1
/Pos_B(-): length 18.5
  Top w0.127: J1.3 193.63,11.33 R84.1 193.69,11.97 J15.3 193.65,21.27 J17.3
/Prog_Reset: length 52.1
  Top w0.127: v1(173.99,122.68) 170.18,126.49 J3.29 169.14,134.39 169.14,141.2 J27.29
  Bottom w0.127: v1(191.64,104.07) 184.47,104.07 173.99,114.55 v1(173.99,122.68)
/SCK: length 47.8
  Top w0.127: U10.20 U10.20 ; J3.23 161.52,134.39 161.52,141.2 J27.23
  In1.Cu w0.127: U10.20 177.86,116.84 162.56,132.14 J3.23
/Veapons_Hot: length 173.1
  Top w0.127: J27.31 171.68,141.2 171.68,134.39 J3.31 172.72,124.72 175.36,122.08 175.36,113.44 140.85,78.93 140.85,76.88 R63.2 138.88,76.6 135.94,76.6 135.77,76.77 135.77,79.21 135.11,79.87 126.55,79.87 125.89,79.21 125.89,77.97 111.3,63.38 63.36,63.38 62.23,62.25 U15.1
Current_Alarm_TTL: length 19.1
  Top w0.127: 16.38,93.03 20.81,93.03 22.63,91.21 22.63,85.62 19.34,82.34 19.34,80.44
I/O_SCL: length 182.8
  Top w0.127: U24.22 92.96,130.55 92.7,130.81 v1(92.07,130.81) 91.82,130.56 91.82,103.3 95.02,100.1 95.02,98.02 89.34,92.34 42.91,92.34 42.28,91.71 U23.22 ; J27.28 168.68,143.74 168.68,136.93 J3.28
  In1.Cu w0.127: J3.28 164.84,138.68 104.14,138.68 101.37,135.91 96.29,135.91 92.07,131.7 v1(92.07,130.81)
I/O_SDA: length 183.2
  Top w0.127: v1(92.71,131.44) 92.96,131.19 94.31,131.19 ; v1(92.71,130.18) 92.07,129.54 92.07,103.5 95.27,100.31 95.27,97.91 95.25,97.89 95.25,97.79 89.55,92.09 43.31,92.09 42.93,91.71 U23.23 ; J27.27 166.6,141.2 166.6,134.39 J3.27
  In1.Cu w0.127: v1(92.71,130.18) v1(92.71,131.44) 96.9,135.64 98.61,135.64 98.63,135.66 99.49,135.66 99.51,135.64 101.55,135.64 104.34,138.43 164.47,138.43 166.6,136.3 166.6,134.9 166.62,134.87 166.62,134.36 J3.27
Jetson_RX: length 116.4
  Top w0.127: J3.10 143.74,136.93 143.74,143.74 J27.10 ; v1(60.96,86.36) 61.28,86.69 U27.12
  In1.Cu w0.127: J3.10 143.28,134.39 133.22,134.39 110.72,111.89 100.21,111.89 97.54,109.22 83.82,109.22 v1(60.96,86.36)
Jetson_TX: length 113.5
  Top w0.127: 63.16,87.34 61.25,87.34 v1(60.96,87.63) ; J3.8 143.49,137.13 143.49,143.53 J27.8
  In1.Cu w0.127: J3.8 140.99,134.64 133.11,134.64 110.62,112.14 100.1,112.14 97.56,109.6 83.69,109.6 61.72,87.63 v1(60.96,87.63)
Laser_Interlock: length 3
  Top w0.127: U22.8 42.84,125.53 U26.2
Laser_PWM_DAC: length 156.8
  Top w0.127: R67.1 60.2,96.46 ; U10.21 U10.21
  Bottom w0.127: U10.21 193.86,110.94 193.86,102.68 184.76,93.58 150.66,93.58 144.14,100.1 63.78,100.1 v1(60.16,96.48)
Laser_PWM_DAC_0-5v: length 55.1
  Top w0.127: 64.84,99.7 62.68,99.7 R82.2 61.64,100.73 52.47,100.73 v1(50.8,99.06)
  Bottom w0.127: v1(50.8,99.06) 11.07,99.06 J30.8
Laser_RX: length 58.3
  Bottom w0.127: J33.2 58.43,80.24 57.99,80.24 57.38,80.85 57.38,81.96 43.46,95.89 19.69,95.89 14.42,90.62 J30.5
Laser_Trigger: length 14
  Top w0.127: J30.17 13.49,89.23 14.59,90.34 21.42,90.34 TP8.1
Laser_TX: length 60.5
  Bottom w0.127: J30.4 9.95,88.84 9.95,91.03 10.53,91.61 11.52,91.61 16.24,96.33 43.38,96.33 J33.4
LED_A_On: length 47.7
  Top w0.127: U15.13 v1(63.5,67.94) ; J42.2 32.93,86.36 37.08,90.51 U23.14
  In1.Cu w0.127: J42.2 37.47,81.28 v1(40,81.28)
  Bottom w0.127: v1(40,81.28) 50.16,81.28 v1(63.5,67.94)
LED_B_On: length 67.3
  Top w0.127: J42.1 34.59,91.11 U23.13 ; v1(62.87,64.13) 66.68,64.13 67.31,64.77 U15.10
  Bottom w0.127: v1(62.87,64.13) 65.41,66.68 65.41,69.85 62.88,69.85 62.24,70.49 61.59,70.49 48.9,83.19 48.9,87.63 31.12,87.63 J42.1
LED_CTL: length 163.3
  Top w0.127: v1(93.79,80.26) 95.44,81.91 95.44,82.04 94.38,83.1 94.38,85.08 94.49,85.18 94.49,88.65 TP5.1 ; J48.4 16.51,3.81 11.43,3.81 8.89,6.35 8.89,31.75 10.16,33.02 17.78,33.02 J47.4
  Bottom w0.127: J47.4 21.44,36.68 48.5,36.68 68.58,56.76 68.58,57.66 69.09,58.17 69.6,58.17 72.9,61.47 72.9,72.64 82.8,82.55 88.39,82.55 90.68,80.26 v1(93.79,80.26)
LED_Open_Fault_A: length 60.7
  Top w0.127: 15.24,41.41 13.48,43.18 37.47,67.17 J42.4 38.38,87.28 U23.16
LED_Open_Fault_B: length 97
  Top w0.127: U23.15 37.73,89.17 J42.3 ; 15.24,13.47 13.48,15.24 21.36,23.13 21.36,30.96 21.34,30.99 21.34,31.85 45.21,55.73 45.21,60.2 v1(38.1,67.31)
  Bottom w0.127: J42.3 38.1,83.19 v1(38.1,67.31)
LED_PWM: length 65.3
  Top w0.127: U15.12 64.77,66.16 65.75,67.14 67.6,67.14 68.58,66.16 U15.9 v1(68.58,67.94) ; J49.2 J49.4
  In2.Cu w0.127: J49.4 95.71,80.34 83.31,67.94 v1(68.58,67.94)
LED_PWM_DAC: length 140.3
  Top w0.127: v1(186.94,118.11) 189.74,118.11 v1(192.53,120.9) ; v1(174.5,114.81) 174.5,114.3 155.31,95.11 104.7,95.11 R39.1 ; U10.4 U10.4
  Bottom w0.127: U10.4 203.45,120.9 v1(192.53,120.9) ; v1(174.5,114.81) 183.64,114.81 v1(186.94,118.11)
LED_Temp_Fault: length 43.1
  Top w0.127: J42.5 39.03,87.34 U23.17 ; v1(35.56,81.92) 28.58,74.93 19.5,74.93 U28.1 18.11,73.34 18.77,72.68 18.77,69.07 18.28,68.58 18.28,67.81 TP7.1
  In2.Cu w0.127: J42.5 v1(35.56,81.92)
LED_trigger: length 211.1
  Top w0.127: v1(87,100.97) 87.76,100.2 U12.4 86.81,99.06 TP2.1 78.23,104.65 78.23,127.71 74.1,131.85 73.22,131.85 72.48,132.59 70.76,132.59 R64.1 67.63,135.72 U9.1 ; J27.7 141.2,141.2 141.2,134.39 J3.7 ; U10.6 U10.6
  Bottom w0.127: v1(87,100.97) 87.01,100.97 118.35,132.3 141.2,132.3 J3.7 ; J27.7 141.12,143.36 141.12,145.13 142.06,146.07 178.34,146.07 178.41,146 179.73,146 179.8,146.07 180.88,146.07 180.95,146 182.27,146 182.34,146.07 199.37,146.07 U10.6
LED_trigger_teensy: length 133.4
  Top w0.127: U10.3 U10.3
  In2.Cu w0.127: U10.3 208.56,123.47 116.82,123.47 99.72,106.38 J49.1
Red_Laser_Trigger: length 3.8
  Top w0.127: U10.29 U10.29
SGT_3.3: length 50.2
  Top w0.508: U11.31 219.2,76.71 223.27,76.71 224.03,77.47 224.03,106.17 U10.31 U10.31
SGT_BCLK: length 39.4
  Top w0.127: U10.28 U10.28 208.92,112.39 208.92,96.02 210.54,94.39 210.54,79.73 U11.28
SGT_LRCLK: length 39.2
  Top w0.127: U10.27 U10.27 208.28,111.76 208.28,80.01 U11.27
SGT_MCLK: length 38.9
  Top w0.127: U11.30 213.64,79.73 213.64,94.39 214.63,95.38 U10.30 U10.30
SGT_RX: length 43
  Top w0.127: U11.10 198.12,95.25 198.12,130.81 U10.10 U10.10
